# KiCad board m-blanc.kicad_pcb (continued)
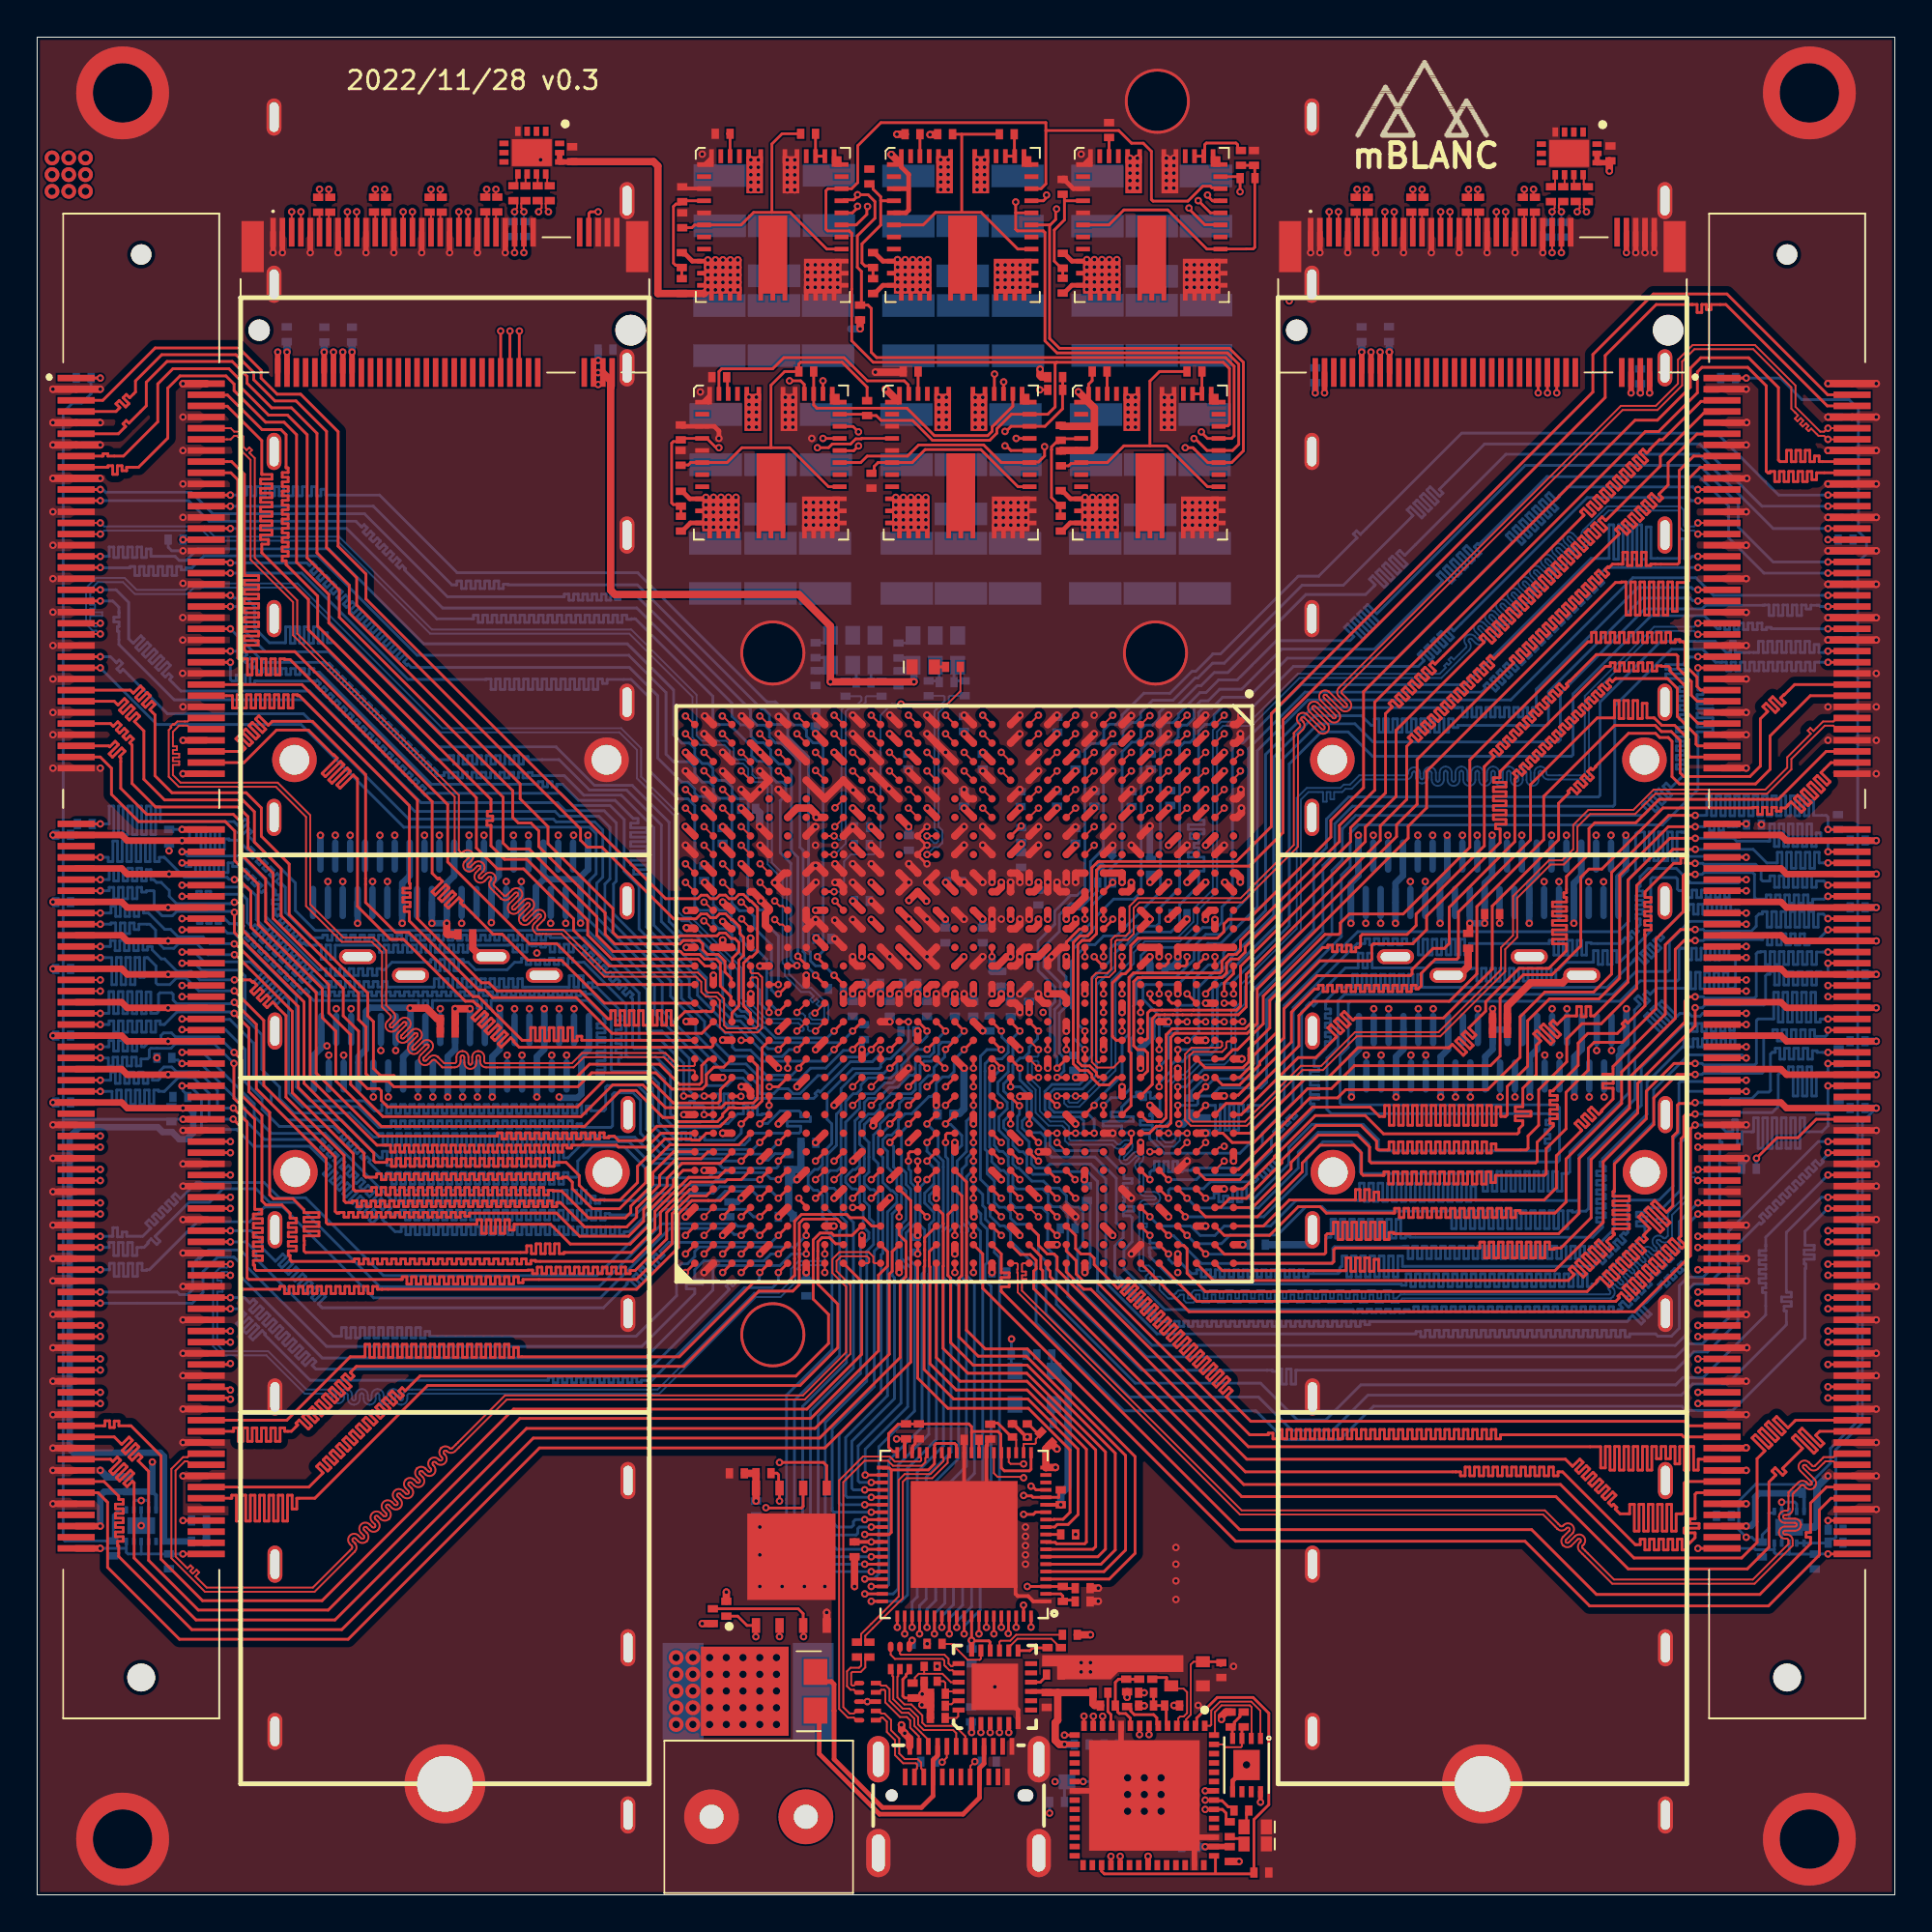
[diagram p0: board, top side]
## Routing (per net, layer and track width the routed paths; a pad name or vN(x,y) marks a point on that pad's centre or on a via; arc(x,y) is an arc through that point) (continued)
QSFP4_TX2_N: length 34.8
  Top Layer w0.1: v1(34.9,55.5) U1.AK9
  InLayer2 (Signal) w0.1: v1(34.9,55.5) 34.84,55.44 34.84,55.17 34.9,55.12 35.19,55.12 35.42,54.89 35.42,54.21 35.09,53.88 34.27,53.88 34.08,54.07 34.08,55.14 33.88,55.14 33.88,54.07 33.68,53.88 33.48,53.88 33.37,53.77 33.37,53.58 33.43,53.52 33.6,53.52 33.73,53.39 33.73,53 33.6,52.87 33.12,52.87 33.12,52.67 33.6,52.67 33.73,52.54 33.73,52.15 33.6,52.02 32.75,52.02 32.75,51.82 33.18,51.82 33.37,51.63 33.37,51.05 32.92,50.6 32.65,50.6 31.9,51.35 31.76,51.21 32.62,50.35 32.62,50.16 32.35,49.89 32.16,49.89 31.46,50.59 31.32,50.45 32.02,49.75 32.02,49.56 31.75,49.29 31.56,49.29 31.06,49.79 30.92,49.65 31.42,49.15 31.42,48.96 31.15,48.69 30.96,48.69 30.46,49.19 30.32,49.05 30.71,48.66 30.71,48.39 30.28,47.96 30.28,47.88 30.6,47.57 30.6,47.38 30.32,47.11 30.14,47.11 29.63,47.62 29.49,47.47 30.11,46.85 30.11,46.66 29.84,46.39 29.65,46.39 28.96,47.08 28.82,46.94 29.51,46.25 29.51,46.06 29.24,45.79 29.05,45.79 28.33,46.51 28.19,46.37 28.3,46.25 28.3,45.99 28.21,45.89 28.21,45.32 28.28,45.26 28.44,45.26 v1(28.5,45.2)
  Bottom Layer w0.1: QSFP+ #4.2 v1(28.5,45.2)
QSFP4_TX2_P: length 34.8
  Top Layer w0.1: v1(34.9,54.5) U1.AK10
  InLayer2 (Signal) w0.1: v1(34.9,54.5) 34.84,54.56 34.84,54.83 34.91,54.89 35.1,54.89 35.2,54.79 35.2,54.3 35,54.1 34.36,54.1 34.3,54.16 34.3,55.23 34.17,55.36 33.78,55.36 33.65,55.23 33.65,54.16 33.59,54.1 33.38,54.1 33.15,53.86 33.15,53.48 33.34,53.29 33.51,53.29 33.51,53.09 33.02,53.09 32.89,52.96 32.89,52.57 33.02,52.44 33.51,52.44 33.51,52.24 32.66,52.24 32.53,52.11 32.53,51.72 32.66,51.59 33.09,51.59 33.15,51.53 33.15,51.15 32.83,50.83 32.75,50.83 31.99,51.58 31.81,51.58 31.54,51.31 31.54,51.12 32.4,50.26 32.26,50.12 31.56,50.82 31.37,50.82 31.1,50.54 31.1,50.36 31.8,49.66 31.66,49.51 31.16,50.01 30.97,50.01 30.7,49.74 30.7,49.55 31.2,49.05 31.05,48.91 30.55,49.41 30.37,49.41 30.1,49.14 30.1,48.95 30.48,48.57 30.48,48.48 30.06,48.06 30.06,47.79 30.37,47.48 30.23,47.33 29.72,47.84 29.54,47.84 29.26,47.57 29.26,47.38 29.89,46.76 29.75,46.61 29.06,47.3 28.87,47.3 28.6,47.03 28.6,46.84 29.29,46.15 29.15,46.01 28.42,46.74 28.23,46.74 27.96,46.47 27.96,46.28 28.08,46.16 28.08,46.08 27.99,45.99 27.99,45.76 27.8,45.76 27.8,45.56 27.99,45.56 27.99,45.32 27.92,45.26 27.76,45.26 v1(27.7,45.2)
  Bottom Layer w0.1: QSFP+ #4.3 v1(27.7,45.2)
QSFP4_TX3_N: length 33.5
  Top Layer w0.1: v1(35.9,57.5) U1.AJ7
  InLayer2 (Signal) w0.1: v1(26.5,47.7) 26.44,47.64 26.28,47.64 26.21,47.58 26.21,47.31 26.02,47.12 20.93,47.12 20.74,47.31 20.74,48.71 20.93,48.9 23.41,48.9 23.6,48.71 23.6,48.36 23.8,48.36 23.8,48.82 23.93,48.95 24.32,48.95 24.45,48.82 24.45,48.36 24.65,48.36 24.65,48.82 24.78,48.95 25.17,48.95 25.3,48.82 25.3,48.38 25.5,48.38 25.5,48.71 25.69,48.9 29.25,48.9 30.63,50.27 30.63,51 31.27,51.64 32.47,52.84 32.47,55.1 33.44,56.08 35.27,56.08 35.32,56.13 35.32,56.77 35.64,57.09 35.82,57.09 35.9,57.17 v1(35.9,57.5)
  Bottom Layer w0.1: QSFP+ #4.34 v1(26.5,47.7)
QSFP4_TX3_P: length 33.6
  Top Layer w0.1: v1(35.9,56.5) U1.AJ8
  InLayer2 (Signal) w0.1: v1(35.9,56.5) 35.88,56.52 35.88,56.81 35.82,56.87 35.74,56.87 35.55,56.68 35.55,56.04 35.36,55.85 33.53,55.85 33.23,55.55 33.45,55.32 33.31,55.18 33.09,55.4 32.95,55.26 33.17,55.04 33.03,54.89 32.83,55.09 32.69,54.95 32.69,52.75 31.36,51.41 30.85,50.9 30.85,50.18 29.35,48.68 25.78,48.68 25.72,48.62 25.72,48.28 25.59,48.15 25.21,48.15 25.07,48.28 25.07,48.73 24.87,48.73 24.87,48.26 24.74,48.13 24.36,48.13 24.22,48.26 24.22,48.73 24.02,48.73 24.02,48.26 23.89,48.13 23.51,48.13 23.37,48.26 23.37,48.62 23.32,48.68 21.02,48.68 20.97,48.62 20.97,47.4 21.02,47.34 25.93,47.34 25.99,47.4 25.99,47.58 25.92,47.64 25.76,47.64 v1(25.7,47.7)
  Bottom Layer w0.1: QSFP+ #4.33 v1(25.7,47.7)
QSFP4_TX4_N: length 36.7
  Top Layer w0.1: v1(37.9,57.5) U1.AG7
  InLayer2 (Signal) w0.1: v1(26.1,45.2) 26.04,45.26 25.88,45.26 25.81,45.32 25.81,45.71 25.62,45.9 23.69,45.9 23.5,45.71 23.5,44.74 23.69,44.55 28.75,44.55 31.07,46.87 31.07,48.01 34.16,51.1 34.16,53.32 34.22,53.38 35.34,53.38 35.75,53.79 36.23,53.79 36.51,54.06 36.51,55.82 36.56,55.88 39.51,55.88 39.7,56.07 39.7,58.79 39.51,58.98 38.95,58.98 38.95,58.99 38.75,58.99 38.75,58.98 38.47,58.98 38.28,58.79 38.28,57.17 38.22,57.11 37.96,57.11 37.9,57.17 v1(37.9,57.5)
  Bottom Layer w0.1: QSFP+ #4.5 v1(26.1,45.2)
QSFP4_TX4_P: length 44.6
  Top Layer w0.1: v1(37.9,56.5) U1.AG8
  InLayer2 (Signal) w0.1: 39.48,57.92 39.48,58.12 ; 39.48,57.92 39.18,57.92 ; 39.48,57.92 39.18,57.92 ; 39.48,57.92 39.18,57.92 ; 39.48,57.92 39.48,58.12 ; 39.48,57.92 39.48,58.12 ; 39.48,58.12 39.18,58.12 ; 39.48,58.12 39.18,58.12 ; 39.48,58.12 39.18,58.12 ; 39.25,57.52 39.48,57.52 ; 39.25,57.52 39.25,57.32 ; 39.25,57.52 39.48,57.52 ; 39.25,57.52 39.25,57.32 ; 39.25,57.52 39.25,57.32 ; 39.25,57.52 39.48,57.52 ; 39.48,57.52 39.48,57.72 ; 39.48,57.52 39.48,57.72 ; 39.48,57.52 39.48,57.72 ; 39.18,57.92 39.18,57.72 ; 39.18,57.92 39.18,57.72 ; 39.18,57.92 39.18,57.72 ; 39.32,56.92 39.32,57.12 ; 39.32,56.92 39.48,56.92 ; 39.32,56.92 39.48,56.92 ; 39.32,56.92 39.48,56.92 ; 39.32,56.92 39.32,57.12 ; 39.32,56.92 39.32,57.12 ; 39.32,57.12 39.48,57.12 ; 39.32,57.12 39.48,57.12 ; 39.32,57.12 39.48,57.12 ; 39.25,57.32 39.48,57.32 ; 39.25,57.32 39.48,57.32 ; 39.25,57.32 39.48,57.32 ; 39.48,57.32 39.48,57.12 ; 39.48,57.32 39.48,57.12 ; 39.48,57.32 39.48,57.12 ; 39.18,58.12 39.18,58.32 ; 39.18,58.12 39.18,58.32 ; 39.18,58.12 39.18,58.32 ; 39.48,56.92 39.48,56.71 ; 39.48,56.92 39.48,56.71 ; 39.48,56.92 39.48,56.71 ; 39.18,57.72 39.48,57.72 ; 39.18,57.72 39.48,57.72 ; 39.18,57.72 39.48,57.72 ; 39.48,58.57 39.48,58.7 39.42,58.76 38.56,58.76 38.5,58.7 38.5,57.08 38.31,56.89 37.96,56.89 37.9,56.83 v1(37.9,56.5) ; 39.48,58.57 39.48,58.32 ; 39.48,58.57 39.48,58.32 ; 39.48,58.57 39.48,58.32 ; 39.48,56.71 39.48,56.16 39.42,56.1 36.47,56.1 36.28,55.91 36.28,54.16 36.14,54.01 35.66,54.01 35.25,53.6 34.12,53.6 33.93,53.41 33.93,51.19 30.84,48.1 30.84,46.97 28.66,44.78 23.78,44.78 23.72,44.84 23.72,45.62 23.78,45.68 25.53,45.68 25.59,45.62 25.59,45.32 25.52,45.26 25.36,45.26 v1(25.3,45.2) ; 39.18,58.32 39.48,58.32 ; 39.18,58.32 39.48,58.32 ; 39.18,58.32 39.48,58.32
  Bottom Layer w0.1: QSFP+ #4.6 v1(25.3,45.2)
RxL: length 1.9
  Top Layer w0.15: 64.2,3.89 64.13,3.89 64,4.01 64,4.1 64,4.1 64,4.4 63.8,4.6 62.87,4.6
  vias: v1(62.88,4.6)
SS_RX_N: length 18.8
  Top Layer w0.1: FL1.9 44.1,9.9 43.97,9.76 43.74,9.76 43.39,10.11 43.39,22.22 44.54,23.37 45.8,23.37 46.07,23.1 47.62,23.1 47.81,23.29 47.81,23.51 47.9,23.6 U4.34
SS_RX_P: length 19.2
  Top Layer w0.1: U4.35 47.5,23.6 47.59,23.51 47.59,23.38 47.53,23.33 46.16,23.33 45.9,23.59 44.45,23.59 43.17,22.31 43.17,10.01 43.64,9.54 43.97,9.54 44.1,9.4 FL1.10
SS_TX_N: length 2.7
  Top Layer w0.1: 44.71,12.89 44.58,12.76 44.58,12.24 44.34,12 43.88,12 43.82,11.94 43.82,11.32 43.88,11.26 43.97,11.26 44.1,11.4 FL1.6
SS_TX_P: length 3.3
  Top Layer w0.1: 44.11,12.95 44.17,12.89 ; 44.1,12.8 44.21,12.8 44.36,12.65 44.36,12.34 44.24,12.22 43.79,12.22 43.59,12.03 43.59,11.23 43.79,11.04 43.97,11.04 44.1,10.9 FL1.7 ; 44.27,12.89 44.32,12.89
SSRX_N: length 5.2
  Top Layer w0.1: CON1.B10 47.73,6.67 47.65,6.75 47.65,6.75 47.59,6.81 47.59,7.12 47.4,7.31 46.71,7.31 46.41,7.61 46.41,8.42 45.96,8.86 45.96,9.41 45.62,9.76 45.43,9.76 45.38,9.82 45.38,9.83 45.3,9.9 FL1.2
SSRX_P: length 4.8
  Top Layer w0.1: CON1.B11 47.23,6.67 47.3,6.75 47.3,6.75 47.36,6.81 47.36,7.02 47.3,7.08 46.61,7.08 46.18,7.52 46.18,8.33 45.74,8.77 45.74,9.32 45.52,9.54 45.43,9.54 45.38,9.48 45.38,9.47 45.3,9.4 FL1.1
SSTX_N: length 4.9
  Top Layer w0.1: FL1.5 45.3,11.4 45.38,11.33 45.38,11.32 45.43,11.26 45.69,11.26 45.88,11.07 45.88,10.45 46.54,9.8 46.91,9.8 47.22,9.48 47.22,9.09 47.9,8.42 47.9,8.07
SSTX_P: length 4.5
  Top Layer w0.1: 47.46,8.01 47.46,8.53 47,9 47,9.39 46.82,9.57 46.44,9.57 45.66,10.36 45.66,10.98 45.6,11.04 45.43,11.04 45.38,10.98 45.38,10.97 45.3,10.9 FL1.4
TOD_N: length 13
  Top Layer w0.1: U4.31 49.1,23.6 49.01,23.51 49.01,23.26 48.18,22.43 46.79,22.43 46.6,22.23 46.6,15.97 44.99,14.36 44.58,13.95 44.58,13.64 44.71,13.51
TOD_P: length 13.1
  Top Layer w0.1: 44.11,13.45 44.17,13.51 44.22,13.51 ; U4.32 48.7,23.6 48.79,23.51 48.79,23.35 48.09,22.65 46.7,22.65 46.38,22.33 46.38,16.06 44.9,14.59 44.35,14.04 44.35,13.55 44.31,13.51
TxL: length 1.8
  Top Layer w0.15: 62.87,5.1 63.35,5.1 63.38,5.07 63.78,5.07 64.11,4.74 64.3,4.74 64.42,4.62 R4.2
  vias: v1(62.88,5.1)
UART_RX: length 48.5
  Top Layer w0.15: v1(57.4,47.5) U1.H16 ; v1(58.3,2.08) 58.3,2.07 58.3,1.6 58.3,1.6
  InLayer1 (GND) w0.1: v1(58.3,2.08) 58.3,3.77 57.95,4.12 57.95,6.3 57.95,10.69 58.35,11.09 58.35,41.33 58.75,41.73 58.75,43.64 58.7,43.69 58.7,43.7 58.25,44.15 58.25,45.65 58.01,45.88 57.11,45.88 56.8,46.19 56.8,46.9 v1(57.4,47.5)
UART_TX: length 51.2
  Top Layer w0.15: 57.8,1.6 57.8,1.6 57.8,2.07 v1(57.8,2.08) ; v1(57.4,48.5) U1.H15
  InLayer1 (GND) w0.1: v1(57.8,2.08) 57.86,2.02 57.86,1.88 58.02,1.72 58.5,1.72 58.7,1.93 58.7,2.3 58.5,2.5 58.5,3.85 58.15,4.2 58.15,6.33 58.15,10.61 58.55,11.01 58.55,41.25 58.95,41.65 58.95,43.73 58.47,44.22 58.47,45.72 58.09,46.1 57.18,46.1 57,46.28 57,46.78 57.23,47.01 57.42,47.01 57.75,47.34 57.75,48.15 v1(57.4,48.5)
USBD_N: length 6.9
  Top Layer w0.1: CON1.A7 49.97,8 49.97,8.53 49.4,9.1 47.82,9.1 47.65,9.27 47.65,9.66 47.06,10.25 46.68,10.25 46.31,10.63 46.31,11.74 46.35,11.78 46.35,12.1 46.45,12.2
USBD_P: length 6.8
  Top Layer w0.1: CON1.A6 49.47,8.71 49.31,8.87 47.73,8.87 47.42,9.17 47.42,9.57 46.96,10.03 46.59,10.03 46.08,10.53 46.08,11.74 46.04,11.79 46.04,12.05 FL2.1

## Copper pours and planes (outline as drawn; the poured copper is in the pictures)
1.0V on Bottom Layer: 35.09,75.43 40.88,75.43 40.88,73.35 43.82,73.35 43.82,70.75 35.09,70.75
1.0V on Bottom Layer: 43.7,75.43 51.14,75.43 51.14,73.36 54.05,73.36 54.05,70.76 43.71,70.76
1.0V on InLayer3 (PWR): 63.3,54.19 63.3,52.83 41.4,52.83 41.4,54.19
1.0V on InLayer3 (PWR): 44.1,69.59 44.1,75.49 48.12,75.49 48.12,69.59
1.0V on InLayer3 (PWR): 40.01,52.5 40.01,58.4 41.6,58.4 41.6,52.5
1.0V on InLayer3 (PWR): 32.4,69.6 32.4,75.5 40.3,75.5 40.3,69.6
1.0V on InLayer3 (PWR): 56.1,50.2 56.1,48.83 41.4,48.83 41.4,50.2
1.0V on InLayer3 (PWR): 28.4,75.5 34.6,75.5 34.6,48.83 28.4,48.83
1.0V on InLayer3 (PWR): 36.45,59.1 36.45,57.3 61.4,57.3 61.4,59.1
1.0V on InLayer3 (PWR): 35.7,73.3 48.12,73.3 48.12,69.6 35.7,69.6
1.0V on InLayer3 (PWR): 32.3,54.18 41.6,54.18 41.6,48.83 32.3,48.83
1.2V on Bottom Layer: 55.54,75.43 61.33,75.43 61.33,73.34 64.33,73.34 64.33,70.74 55.55,70.74
1.2V on InLayer3 (PWR): 39.9,54.28 34.7,54.28 34.7,62.53 63.3,62.53 63.3,59.2 36.35,59.2 36.35,57.2 39.9,57.2
1.2V on InLayer3 (PWR): 53.9,75.49 58.31,75.49 58.31,60.9 53.9,60.9
1.2V on InLayer3 (PWR): 63.3,62.53 63.3,54.3 59.5,54.3 59.5,57.2 61.5,57.2 61.5,62.53
1.2V on InLayer3 (PWR): 56.11,69.59 56.11,75.49 58.31,75.49 58.31,69.59
1.8V on Bottom Layer: 45.49,88.26 51.23,88.26 51.23,86.16 54.2,86.16 54.2,83.56 45.5,83.56
1.8V on InLayer1 (GND): 43.6,57.8 56.1,57.8 56.1,55.9 43.6,55.9
1.8V on InLayer1 (GND): 46.02,75.8 48.51,75.8 48.49,48.85 45.19,48.85 45.19,47.1 53.65,47.1 53.65,48.85 51.35,48.85 51.35,78.2 46.02,78.2
1.8V on InLayer1 (GND): 43.6,57.8 56.1,57.8 56.1,55.9 43.6,55.9
1.8V on InLayer1 (GND): 46.02,75.8 46.02,88.29 48.22,88.29 48.22,75.8
1.35V on Bottom Layer: 55.67,88.26 61.4,88.26 61.4,86.18 64.33,86.18 64.33,83.59 55.68,83.59
1.35V on InLayer3 (PWR): 35.7,36.7 35.7,35.6 40.7,35.6 40.7,32.1 41.6,32.1 41.6,34.7 45.5,34.7 45.5,35.3 44.2,35.3 44.2,46.16 41.7,46.16 41.7,36.7
1.35V on InLayer3 (PWR): 67.52,85.4 64.78,85.4 64.78,45.95 67.48,45.95
1.35V on InLayer3 (PWR): 67.82,85.4 65.4,85.4 65.4,45.95 67.78,45.95
1.35V on InLayer3 (PWR): 51.2,33.9 51.2,33.1 58.46,33.1 58.46,33.9
1.35V on InLayer3 (PWR): 56.3,85.41 56.3,82.4 65.8,82.4 65.8,85.4
1.35V on InLayer3 (PWR): 56.2,82.4 56.2,88.3 59.3,88.3 59.3,82.4
1.35V on InLayer3 (PWR): 36.2,48.7 36.2,46.01 66.69,45.99 66.69,48.7
1.35V on InLayer3 (PWR): 87.8,60.31 87.8,58.3 99.02,58.3 99.02,60.3
1.35V on InLayer3 (PWR): 36.7,43.22 36.7,44.92 14.1,44.92 14.1,43.25
1.35V on InLayer3 (PWR): 97.02,42.08 99.02,42.08 99.02,59.1 97.03,59.1
1.35V on InLayer3 (PWR): 89.3,54.73 89.3,56.8 67.05,56.8 67.05,54.75
1.35V on InLayer3 (PWR): 61.9,34.1 63.9,34.1 63.9,46.4 61.91,46.4
1.35V on InLayer3 (PWR): 36.7,48.7 35.02,48.7 35.02,43.23 36.7,43.23
1.35V on InLayer3 (PWR): 87.79,54.73 89.79,54.73 89.79,60.31 87.8,60.31
1.35V on InLayer3 (PWR): 7.54,42 9.3,42 9.3,57.1 7.56,57.1
1.35V on InLayer3 (PWR): 8.6,44.41 8.6,42.73 15.35,42.73 15.35,44.4
1.35V on InLayer3 (PWR): 55.42,33.1 58.5,33.1 58.5,46.8 55.43,46.8
1.35V on InLayer3 (PWR): 36.7,43.2 36.7,45.28 13.6,45.28 13.6,43.22
1.35V on InLayer3 (PWR): 52.7,40.96 52.7,40.04 56.5,40.04 56.5,40.95
3.3V on Top Layer: 85.66,81.18 85.66,82.72 86.93,82.72 86.93,81.18
3.3V on Top Layer: 71.3,81.18 71.3,82.72 72.87,82.72 72.87,81.18
3.3V on Top Layer: 15.32,81.18 15.32,82.72 17.08,82.72 17.08,81.18
3.3V on Top Layer: 68.67,81.18 68.67,82.73 69.42,82.73 69.42,81.18
3.3V on Top Layer: 29.8,81.18 29.8,82.72 31.07,82.72 31.07,81.18
3.3V on Bottom Layer: 35.3,83.57 35.3,88.25 41.1,88.25 41.1,86.16 44,86.16 44,83.57
3.3V on InLayer3 (PWR): 26,28.22 26,24.9 50.3,24.9 50.3,28.19
3.3V on InLayer3 (PWR): 71.7,90.34 69.4,90.34 69.4,82.2 71.69,82.2
3.3V on InLayer3 (PWR): 35.8,90.52 35.8,88.4 71.7,88.4 71.7,90.49
3.3V on InLayer3 (PWR): 87,82.18 87,83.9 69.4,83.9 69.4,82.2
3.3V on InLayer3 (PWR): 69.5,83 68.59,83 68.59,80.64 69.5,80.64
3.3V on InLayer3 (PWR): 35.81,86.12 35.81,90.38 38.01,90.38 38.01,86.12
3.3V on InLayer3 (PWR): 87,83.9 85.6,83.9 85.6,80.5 86.99,80.5
3.3V on InLayer3 (PWR): 47.2,46 50.66,46 50.66,15 47.2,15
3.3V on InLayer3 (PWR): 41.7,51.99 41.7,51.01 64.68,51.01 64.68,82.29 56.1,82.29 56.1,88.6 54.9,88.6 54.9,81.2 63.41,81.2 63.41,51.99
3.3V on InLayer3 (PWR): 71.7,90.34 69.4,90.34 69.4,82.2 71.69,82.2
3.3V on InLayer3 (PWR): 7.48,83.6 3.96,83.6 3.96,28 7.44,28
3.3V on InLayer3 (PWR): 38.01,85.1 31.14,85.1 31.14,83.5 27.8,83.5 27.8,88.2 38,88.2
3.3V on InLayer3 (PWR): 4.2,31.21 4.2,28 29.6,28 29.6,31.19
3.3V on InLayer3 (PWR): 31.15,80.09 31.15,83.6 4.5,83.6 4.5,80.11
GND on Top Layer (solid shape): 54.1,12.3 54.9,12.3 54.9,11.6 57.8,11.6 58.2,12 61.7,12 61.7,12.9 54.1,12.9
GND on Top Layer: 44.5,92.84 44.5,94 46.69,94 46.69,92.84
GND on Top Layer: 45.24,6.05 45.24,6.8 46.73,6.8 46.73,6.05
GND on Top Layer: 0,100 100,100 100,0 0,0
GND on Bottom Layer: 35.09,69.22 64.33,69.22 64.33,70.67 35.09,70.67
GND on Bottom Layer: 35.28,90.44 64.33,90.44 64.33,86.18 61.4,86.18 61.4,88.26 55.67,88.26 55.68,88.25 55.68,83.42 54.2,83.42 54.2,86.16 51.23,86.16 51.23,88.26 45.49,88.26 45.5,88.25 45.5,83.43 44,83.44 44,86.16 41.1,86.16 41.1,88.25 35.29,88.25
GND on Bottom Layer: 0,100 100,100 100,0 0,0
GND on Bottom Layer: 35.19,82.03 64.33,82.03 64.33,83.47 35.19,83.47
GND on Bottom Layer: 35.09,77.59 64.34,77.59 64.34,73.34 61.33,73.34 61.33,75.43 55.54,75.43 55.55,70.61 54.05,70.61 54.05,73.36 51.14,73.36 51.14,75.43 43.7,75.43 43.7,73.48 43.82,73.35 40.88,73.35 40.88,75.43 35.09,75.43
GND on InLayer1 (GND): 0,100 100,100 100,0 0,0
GND on InLayer2 (Signal): 0,100 100,100 100,0 0,0
GND on InLayer3 (PWR): 41.6,57.9 59.7,57.9 59.7,54.2 41.6,54.2
GND on InLayer3 (PWR): 0,100 100,100 100,0 0,0
GND on InLayer4 (GND): 0,100 100,100 100,0 0,0
VIN on Bottom Layer: 0,94.41 0,90.94 16.85,90.94 16.85,94.39
VIN on Bottom Layer: 13.6,95.94 13.6,92.47 35.1,92.47 35.1,95.93
VIN on Bottom Layer: 35.01,90.57 64.33,90.55 64.33,94.7 35,94.7
VIN on Bottom Layer: 35.67,8.76 35.67,13.17 40.2,13.17 40.2,8.76
VIN on Bottom Layer: 35.19,77.75 35.2,94.7 32.49,94.7 32.49,77.74
VIN on Bottom Layer: 35.01,77.75 64.33,77.73 64.33,81.92 35,81.92
VIN on InLayer3 (PWR): 0,16.24 0,12.8 10,12.8 10,16.24
VIN on InLayer3 (PWR): 34.4,9.17 34.4,12.77 39.8,12.77 39.8,9.17
VIN on InLayer3 (PWR): 6.9,12.95 6.9,9.5 39.9,9.5 39.9,12.93
VIN on InLayer3 (PWR): 3.48,94.4 0,94.4 0,13 3.43,13
NetD2_2 on Bottom Layer: 42.88,13.56 40.68,13.56 40.68,5.7 39.9,5.7 39.9,2.7 42.88,2.7

Small or netless copper shapes (teardrops, artwork), in the pictures only: 2 on Top Layer, 1 on Bottom Layer

## Text on the board
Bottom Overlay: Open Hardware
Top Overlay: 2022/11/28 v0.3 | mBLANC
